# Altium PCB DRS4-PCB.PcbDoc (part 9 of 15)
Units mil, origin at the board's own origin, x right, y up, seen from the top; angles counter-clockwise.
Board outline 12350 x 7411.06 mil, 12 copper layers (Top Layer, Ground Layer 2, Signal Layer 3, Signal Layer 4, Ground Layer 5, Power Layer 6, Ground Layer 7, Ground Layer 8, Power Layer 9, Power Layer 10, Ground Layer 11, Bottom Layer), stack 61.6 mil thick; 1411 components, 1117 nets, 4255 pads, 2550 vias.
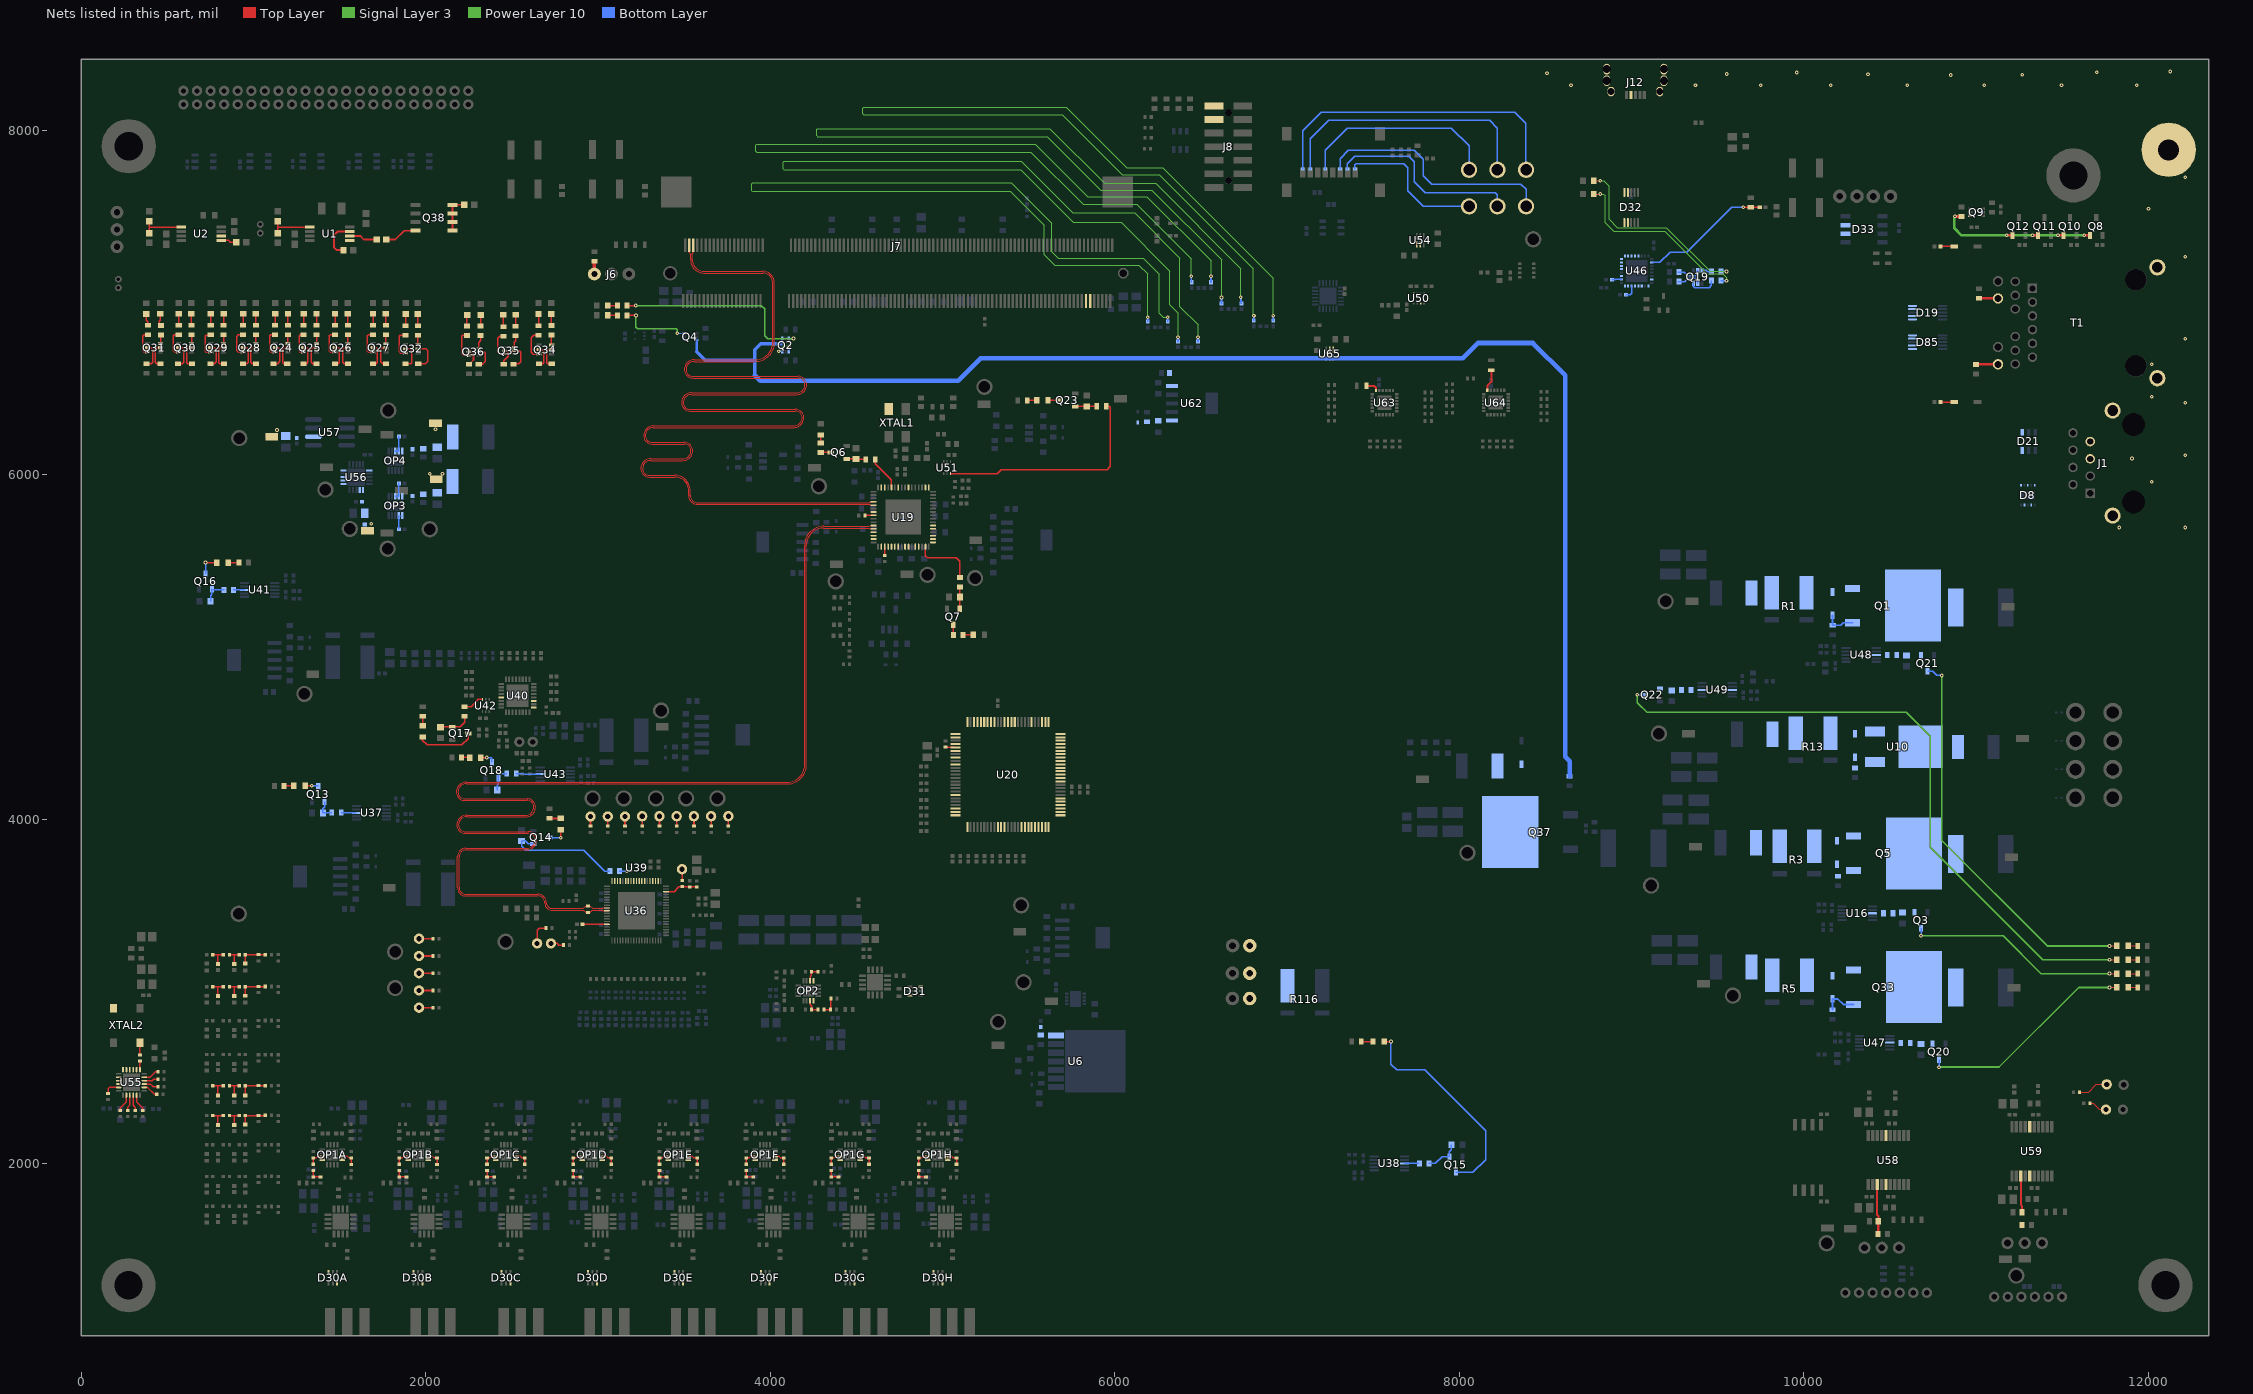
[diagram p19: the nets of this part, all layers, seen from the top]

## Via types
v1: diameter 21.65, hole 10, Top Layer to Bottom Layer, 2413 vias
v2: diameter 20, hole 10, Top Layer to Bottom Layer, 123 vias
v3: diameter 19, hole 8, Top Layer to Bottom Layer, 12 vias
v4: diameter 27.56, hole 10, Top Layer to Bottom Layer, 1 vias
v5: diameter 21.65, hole 10, Top Layer to Bottom Layer, tented top, 1 vias

## Nets (pads, with @x,y where several pads share a name; then routed paths per layer and width w, separated by ;. In a path a pad name is that pad's centre, name@x,y a point inside that pad or via, vN(x,y) a via of type N, cw(c..) or ccw(c..) an arc to the next point about the centre after c; other vN are vias at no path point) (continued)
NetC314_2: C314.2 L25.2 L26.1 | length 114.1
  Top Layer w8.72: L25.2@763.45,3027.8 792.85,3027.81 ; C314.2@792.85,2972.89 792.85,3027.81 ; L26.1@822.62,3027.81 792.85,3027.81
NetC315_2: C315.2 L26.2 L27.1 | length 111.6
  Top Layer w8.72: L26.2@858.05,3027.81 L27.1@916.32,3027.81 ; C315.2@887.26,2972.89 887.26,3026.16
NetC316_2: C316.2 L27.2 R236.1 R240.2 | length 168.8
  Top Layer w8.72: C316.2@951.75,2975.05 951.75,3027.81 1066.28,3027.81 R236.1@1067.34,3028.87
NetC318_2: C318.2 L28.2 L29.1 | length 114.1
  Top Layer w8.72: L28.2@763.45,2279.76 792.85,2279.78 ; C318.2@792.85,2224.83 792.85,2279.78 ; L29.1@822.62,2279.78 792.85,2279.78
NetC319_2: C319.2 L29.2 L30.1 | length 111.6
  Top Layer w8.72: L29.2@858.05,2279.78 L30.1@916.32,2279.78 ; C319.2@887.26,2224.83 887.26,2278.13
NetC320_2: C320.2 L30.2 R241.1 R243.2 | length 168.7
  Top Layer w8.72: C320.2@951.75,2226.99 951.75,2279.78 1066.48,2279.78 R241.1@1067.34,2280.64
NetC322_2: C322.2 L31.2 L32.1 | length 114.1
  Top Layer w8.72: L31.2@763.45,3214.02 792.85,3214 ; C322.2@792.85,3159.07 792.85,3214 ; L32.1@822.62,3214 792.85,3214
NetC323_2: C323.2 L32.2 L33.1 | length 113.9
  Top Layer w8.72: L32.2@858.05,3214 885.62,3214 ; C323.2@887.26,3159.07 887.26,3212.35 885.62,3214 ; L33.1@916.32,3214 885.62,3214
NetC324_2: C324.2 L33.2 R242.1 R245.2 | length 168.6
  Top Layer w8.72: C324.2@951.75,3161.24 951.75,3214 1066.86,3214 R242.1@1067.34,3213.52
NetC326_2: C326.2 L34.2 L35.1 | length 114.1
  Top Layer w8.72: L34.2@763.45,2452.99 792.85,2453.01 ; C326.2@792.85,2398.07 792.85,2453.01 ; L35.1@822.62,2453.01 792.85,2453.01
NetC327_2: C327.2 L35.2 L36.1 | length 111.6
  Top Layer w8.72: L35.2@858.05,2453.01 L36.1@916.32,2453.01 ; C327.2@887.26,2398.07 887.26,2451.36
NetC328_2: C328.2 L36.2 R247.1 R248.2 | length 168.4
  Top Layer w8.72: C328.2@951.75,2400.24 951.75,2453.01 1067.26,2453.01 R247.1@1067.34,2453.09
NetC335_1: C335.1 C336.2 FB1.2 TP72.1 U56.1 U56.2
  other v1: 1682.92,5714.88
NetC337_1: C337.1 C338.2 FB8.2 TP79.1 U57.2
  other v1: 1135.87,6259.28
NetC340_1: C340.1 C341.1 C342.2 FB13.2 OP3.10 TP81.1
  other v1: 2022.21,6005.43 2096.46,6005.43
NetC343_1: C343.1 C344.1 C345.2 FB14.2 OP4.10 TP82.1
  other v1: 2055.51,6263.78
NetC369_2: C369.2 D79.2 R66.2 U62.1
NetC371_1: C371.1 U62.5
NetD8_2: D8.2
NetD8_4: D8.4
NetD8_6: D8.6
NetD8_8: D8.8
NetD8_10: D8.10
NetD16_1: D16.1 R21.2 | length 56.1
  Top Layer w7.87: D16.1@3056.77,6982.13 R21.2@3112.84,6982.13
NetD17_1: D17.1 R29.2 | length 56.1
  Top Layer w5: D17.1@11881.97,3103.66 R29.2@11938.03,3103.66
NetD17_2: D17.2 Q3.3 | length 1275.2
  Top Layer w5: v1(11773.7,3103.67) D17.2@11817.01,3103.67
  Signal Layer 3 w9.8: v1@10679.79,3331.39 10687.64,3323.54 11156.69,3323.54 11376.57,3103.67 v1(11773.7,3103.67)
  Bottom Layer w5: v1(10679.79,3323.31) v1@10680.02,3323.54
  Bottom Layer w7.87: v1@10680.02,3323.54 Q3.3@10680.02,3366.84
NetD18_1: D18.1 R32.2 | length 56.1
  Top Layer w7.87: D18.1@3056.68,6924.49 R32.2@3112.75,6924.49
NetD19_6: D19.6
NetD19_7: D19.7
NetD19_9: D19.9
NetD19_10: D19.10
NetD21_3: D21.3
NetD21_4: D21.4
NetD22_2: D22.2 R49.2 | length 46.7
  Top Layer w7.87: R49.2@4292.13,6183.61 D22.2@4292.13,6230.27
NetD23_2: D23.2 R53.2 | length 59.1
  Top Layer w7.87: R53.2@5118.74,5069.96 D23.2@5177.85,5069.96
NetD24_1: D24.1 R112.2 | length 58.4
  Top Layer w7.87: R112.2@1175.7,4193 1176.28,4193.58 D24.1@1233.9,4193.58
NetD24_2: D24.2 Q13.3 | length 76.8
  Top Layer w7.87: D24.2@1298.86,4193.58 v1(1337.2,4193.58)
  Bottom Layer w7.87: v1(1337.2,4193.58) 1374.14,4193.58 Q13.3@1375.2,4192.53
NetD25_1: D25.1 R123.2 | length 65.5
  Top Layer w10: R123.2@2718.44,4004.89 2718.44,4004.62 D25.1@2783.7,4004.62
NetD25_2: D25.2 Q14.3 | length 117.1
  Top Layer w10: v1(2783.7,3891.75) D25.2@2783.7,3939.66
  Bottom Layer w10: Q14.3@2715.68,3893.77 ccw(c2717.7,3893.77) 2717.7,3891.75 v1(2783.7,3891.75)
NetD26_1: D26.1 R124.2 | length 68.9
  Top Layer w7.87: R124.2@7429.46,2709.43 D26.1@7498.37,2709.43
NetD26_2: D26.2 Q15.3 | length 1253.7
  Top Layer w7.87: D26.2@7563.33,2709.43 v1(7602.79,2709.43)
  Bottom Layer w7.87: v1(7602.79,2709.43) 7602.79,2577.65 7635.39,2545.06 7798.84,2545.06 8153.47,2190.43 8153.47,2023.99 8078.55,1949.07 Q15.3@7979.57,1949.07
NetD27_1: D27.1 R140.2 | length 63.1
  Top Layer w7.87: D27.1@851.73,5489.7 R140.2@914.86,5489.7
NetD27_2: D27.2 Q16.3 | length 130.2
  Top Layer w7.87: v1@719.95,5489.7 D27.2@786.77,5489.69
  Bottom Layer w7.87: Q16.3@720.67,5426.33 v1(720.67,5489.69)
NetD28_1: D28.1 R154.2 | length 56.1
  Top Layer w7.87: D28.1@1981.58,4542 R154.2@1981.58,4598.08
NetD28_2: D28.2 Q17.3 | length 341.8
  Top Layer w7.87: D28.2@1979.68,4477.04 1979.68,4458.31 2007,4431 2208.93,4431 2246.02,4468.08 Q17.3@2246.02,4498.12
NetD29_1: D29.1 R155.2 | length 47.7
  Top Layer w7.87: R155.2@2206.57,4358.31 2253.43,4358.31 D29.1@2254,4357.73
NetD29_2: D29.2 Q18.3 | length 90.3
  Top Layer w7.87: D29.2@2318.96,4357.72 v1(2352.86,4357.72)
  Bottom Layer w7.87: v1(2352.86,4357.72) 2379.51,4357.72 2382.89,4354.34 Q18.3@2382.89,4329.35
NetD30A_3: D30A.3
NetD30A_6: D30A.6
NetD30B_3: D30B.3
NetD30B_6: D30B.6
NetD30C_3: D30C.3
NetD30C_6: D30C.6
NetD30D_3: D30D.3
NetD30D_6: D30D.6
NetD30E_3: D30E.3
NetD30E_6: D30E.6
NetD30F_3: D30F.3
NetD30F_6: D30F.6
NetD30G_3: D30G.3
NetD30G_6: D30G.6
NetD30H_3: D30H.3
NetD30H_6: D30H.6
NetD31_3: D31.3
NetD31_6: D31.6
NetD32_4: D32.4
NetD32_5: D32.5
NetD32_6: D32.6
NetD32_7: D32.7
NetD33_6: D33.6
NetD33_7: D33.7
NetD34_1: D34.1 R195.2 | length 1135.2
  Top Layer w5: D34.1@8780.49,7707.18 v1(8817.34,7707.18)
  Signal Layer 3 w5: v1(8817.34,7707.18) 8837.32,7707.18 8868.84,7675.66 8868.84,7482.09 8917.06,7433.87 9202.11,7433.87 9456.14,7179.84 v1(9550.97,7179.84)
  Bottom Layer w7.87: R195.2@9518.01,7179.84 v1(9550.97,7179.84)
NetD35_1: D35.1 R196.2 | length 1115.5
  Top Layer w5: D35.1@8780.49,7629.53 v1(8817.34,7629.53)
  Signal Layer 3 w5: v1(8817.34,7629.53) 8838.47,7629.53 8845.7,7622.3 8845.7,7462.39 8895.44,7412.65 9192.89,7412.65 9438.28,7167.27 9527.62,7167.27 9550.97,7143.92 v1(9550.97,7126.68)
  Bottom Layer w7.87: R196.2@9518.01,7126.68 v1(9550.97,7126.68)
NetD36_1: D36.1 R211.2 | length 56.1
  Top Layer w5: D36.1@11881.97,3023.31 R211.2@11938.03,3023.31
NetD36_2: D36.2 Q20.3 | length 1267.7
  Top Layer w5: v1(11773.7,3023.3) D36.2@11817.01,3023.3
  Signal Layer 3 w9.8: v1@10784.39,2560.98 11132.7,2560.98 11595.02,3023.3 v1(11773.7,3023.3)
  Bottom Layer w7.87: v1(10784.7,2560.67) Q20.3@10784.7,2604.29
NetD37_1: D37.1 R212.2 | length 56.1
  Top Layer w5: D37.1@11881.97,3264.41 R212.2@11938.03,3264.41
NetD37_2: D37.2 Q21.3 | length 2321.9
  Top Layer w5: v1(11773.7,3264.4) D37.2@11817.01,3264.4
  Signal Layer 3 w9.8: v1(10800,4834.89) 10800,3881.73 10797.71,3879.44 11412.75,3264.4 v1(11773.7,3264.4)
  Bottom Layer w7.87: Q21.3@10718.17,4858.19 10747.7,4858.19 10771,4834.89 v1(10800,4834.89)
NetD38_1: D38.1 R213.2 | length 56.1
  Top Layer w5: D38.1@11881.97,3184.02 R213.2@11938.03,3184.02
NetD38_2: D38.2 Q22.3 | length 3867.4
  Top Layer w5: v1(11773.7,3184.02) D38.2@11817.01,3184.03
  Signal Layer 3 w9.8: v1(9031.75,4722.73) 9031.75,4676.87 9088.61,4620.02 10595.06,4620.02 10734.27,4480.81 10734.27,3836.65 11386.9,3184.02 v1(11773.7,3184.02)
  Bottom Layer w5: v1(9031.75,4722.73) 9032.71,4721.77 Q22.3@9071.96,4721.77
NetD39_1: D39.1 R216.2 | length 55.2
  Top Layer w7.87: R216.2@5491.62,6431.56 5492,6431.18 D39.1@5546.67,6431.18
NetD39_2: D39.2 Q23.3 | length 65.7
  Top Layer w7.87: D39.2@5611.63,6431.18 5613.36,6432.91 Q23.3@5676.6,6432.91
NetD50_1: D50.1 R273.2 | length 67.2
  Top Layer w7.87: R273.2@1199.41,6867.01 D50.1@1199.41,6934.17
NetD51_1: D51.1 R274.2 | length 67.2
  Top Layer w7.87: R274.2@1124.61,6867.01 D51.1@1124.61,6934.17
NetD52_1: D52.1 R275.2 | length 67.2
  Top Layer w7.87: R275.2@1364.96,6867.01 D52.1@1364.96,6934.17
NetD53_1: D53.1 R276.2 | length 67.2
  Top Layer w7.87: R276.2@1290.16,6867.01 D53.1@1290.16,6934.17
NetD54_1: D54.1 R277.2 | length 67.2
  Top Layer w7.87: R277.2@1547.28,6867.01 D54.1@1547.28,6934.17
NetD55_1: D55.1 R278.2 | length 67.2
  Top Layer w7.87: R278.2@1472.48,6867.01 D55.1@1472.48,6934.17
NetD56_1: D56.1 R279.2 | length 67.2
  Top Layer w7.87: R279.2@1767.83,6867.02 D56.1@1767.83,6934.17
NetD57_1: D57.1 R280.2 | length 67.2
  Top Layer w7.87: R280.2@1693.03,6867.02 D57.1@1693.03,6934.17
NetD58_1: D58.1 R289.2 | length 67.2
  Top Layer w7.87: R289.2@1013.39,6867.01 D58.1@1013.39,6934.17
NetD59_1: D59.1 R290.2 | length 67.2
  Top Layer w7.87: R290.2@938.58,6867.01 D59.1@938.58,6934.17
NetD60_1: D60.1 R291.2 | length 67.2
  Top Layer w7.87: R291.2@825.83,6867.01 D60.1@825.83,6934.17
NetD61_1: D61.1 R292.2 | length 67.2
  Top Layer w7.87: R292.2@751.02,6867.01 D61.1@751.02,6934.17
NetD62_1: D62.1 R293.2 | length 67.7
  Top Layer w7.87: D62.1@638.42,6934.17 638.42,6868.35 R293.2@639.77,6867.01
NetD63_1: D63.1 R294.2 | length 67.5
  Top Layer w7.87: D63.1@563.98,6934.06 563.98,6868 R294.2@564.97,6867.01
NetD64_1: D64.1 R295.2 | length 69.7
  Top Layer w7.87: R295.2@452.31,6867.03 452.31,6891.24 458.81,6897.73 D64.1@458.81,6934.08
NetD65_1: D65.1 R296.2 | length 69.9
  Top Layer w7.87: D65.1@376.08,6932.62 376.08,6898.02 386.45,6887.64 R296.2@386.45,6867.03
NetD66_1: D66.1 R305.2 | length 69.2
  Top Layer w7.87: R305.2@1953.46,6864.35 D66.1@1953.46,6933.56
NetD67_1: D67.1 R306.2 | length 69.2
  Top Layer w7.87: R306.2@1882.44,6864.35 D67.1@1882.44,6933.56
NetD68_1: D68.1 Q1.3 R1.1
NetD68_2: D68.2 Q1.1 R2.2 | length 178.4
  Bottom Layer w10: D68.2@10166.57,5183.2 10166.57,5126.73 R2.2@10167.32,5125.98 10214.45,5125.98 10228.65,5140.18 Q1.1@10282.34,5140.18
NetD69_1: D69.1 Q5.3 R3.1
NetD69_2: D69.2 Q5.1 R4.2
NetD70_1: D70.1 R309.2 | length 67.1
  Top Layer w7.87: R309.2@2728.82,6866.53 D70.1@2728.82,6933.58
NetD71_1: D71.1 R310.2 | length 69.5
  Top Layer w7.87: R310.2@2653.82,6864.06 D71.1@2653.82,6933.58
NetD72_2: D72.2 R321.1 | length 69.5
  Top Layer w7.87: R321.1@2449.98,6859.12 D72.2@2449.98,6928.66
NetD73_2: D73.2 R322.1 | length 65.9
  Top Layer w7.87: R322.1@2521,6862.36 D73.2@2521,6928.31
NetD74_2: D74.2 R323.1 | length 63.9
  Top Layer w7.87: R323.1@2317.87,6863.44 D74.2@2317.87,6927.32
NetD75_2: D75.2 R324.1 | length 64.1
  Top Layer w9.84: R324.1@2237.98,6863.46 2237.98,6925.73 D75.2@2239.31,6927.05
NetD80_1: D80.1 Q33.3 R5.1
NetD80_2: D80.2 Q33.1 R6.2 | length 198.1
  Bottom Layer w10: R6.2@10166.57,2893.97 D80.2@10166.57,2956.51 10196.72,2956.51 10228.47,2924.76 Q33.1@10288.94,2924.76
NetD81_1: D81.1 FB6.1 Q37.2
NetD82_1: D82.1 R14.2 U10.1
NetD82_2: D82.2 R13.1 U10.3
NetD83_1: D83.1 R76.1 | length 79.9
  Top Layer w7.87: R76.1@10792.13,7324.92 D83.1@10872.08,7324.92
NetD84_1: D84.1 R77.1 | length 80
  Top Layer w7.87: R77.1@10792.13,6421.53 10871.81,6421.53 D84.1@10872.01,6421.34
NetD85_6: D85.6
NetD85_7: D85.7
NetD85_9: D85.9
NetD85_10: D85.10
NetF1_2: F1.2 Q1.2
NetF2_2: F2.2 Q5.2
NetF3_2: F3.2 Q33.2
NetF4_2: F4.2 U10.2
NetFB2_1: FB2.1 R1.2
NetFB3_1: FB3.1 R3.2
NetFB4_1: FB4.1 R5.2
NetFB5_1: FB5.1 R13.2
NetJ1_5: J1.5
NetJ1_7: J1.7 | length 14.5
  Top Layer w5: J1.7@11651.97,6182.13 J1.7@11662.2,6192.36
NetJ3_1: J3.1 J4.1 J5.1 R116.2
NetJ6_1: J6.1 R36.1 | length 73.9
  Top Layer w19.68: J6.1@2978.05,7165.12 R36.1@2978.05,7239.06
NetJ7_187: J7.187
NetJ7_189: J7.189
NetJ8_1: J8.1
NetJ8_3: J8.3
NetJ12_4: J12.4
NetOP1A_1: OP1A.1
NetOP1A_2: OP1A.2 R162A.2 R165A.1 | length 93
  Top Layer w8.72: OP1A.2@1514.41,2042.56 1544.68,2042.56 1553.07,2034.17 R165A.1@1566.22,2034.17 R162A.2@1566.22,1996.5
NetOP1A_11: OP1A.11 R159A.2 R170A.1 | length 92.5
  Top Layer w8.72: R159A.2@1346.81,1996.77 R170A.1@1346.81,2034.17 1365.43,2034.17 1373.82,2042.56 OP1A.11@1398.41,2042.56
NetOP1A_12: OP1A.12
NetOP1B_1: OP1B.1
NetOP1B_2: OP1B.2 R162B.2 R165B.1 | length 92.3
  Top Layer w8.72: OP1B.2@2013.16,2042.56 2037.71,2042.56 2045.07,2035.2 R165B.1@2064.75,2035.2 ; R162B.2@2065.04,1996.5 R165B.1@2065.04,2034.17
NetOP1B_11: OP1B.11 R159B.2 R170B.1 | length 92.5
  Top Layer w8.72: R159B.2@1845.55,1996.77 R170B.1@1845.55,2034.17 1864.18,2034.17 1872.57,2042.56 OP1B.11@1897.16,2042.56
NetOP1B_12: OP1B.12
NetOP1C_1: OP1C.1
NetOP1C_2: OP1C.2 R162C.2 R165C.1 | length 92.3
  Top Layer w8.72: OP1C.2@2522.33,2042.83 2546.88,2042.83 2554.24,2035.47 R165C.1@2573.93,2035.47 ; R162C.2@2574.21,1996.77 R165C.1@2574.21,2034.17 R165C.1@2574.21,2034.45
NetOP1C_11: OP1C.11 R159C.2 R170C.1 | length 92.5
  Top Layer w8.72: R159C.2@2355,1996.77 R170C.1@2355,2034.17 2373.63,2034.17 2382.02,2042.56 OP1C.11@2406.61,2042.56
NetOP1C_12: OP1C.12
NetOP1D_1: OP1D.1
NetOP1D_2: OP1D.2 R162D.2 R165D.1 | length 92.3
  Top Layer w8.72: OP1D.2@3022.49,2042.83 3047.04,2042.83 3054.4,2035.47 R165D.1@3074.09,2035.47 ; R162D.2@3076.47,1995.47 R165D.1@3076.47,2033.15
NetOP1D_11: OP1D.11 R159D.2 R170D.1 | length 92.5
  Top Layer w8.72: R159D.2@2855.16,1996.77 R170D.1@2855.16,2034.17 2873.79,2034.17 2882.17,2042.56 OP1D.11@2906.76,2042.56
NetOP1D_12: OP1D.12
NetOP1E_1: OP1E.1
NetOP1E_2: OP1E.2 R162E.2 R165E.1 | length 92.3
  Top Layer w8.72: OP1E.2@3521.15,2042.83 3545.7,2042.83 3553.06,2035.47 R165E.1@3572.75,2035.47 ; R162E.2@3575.13,1995.47 R165E.1@3575.13,2033.15
NetOP1E_11: OP1E.11 R159E.2 R170E.1 | length 92.5
  Top Layer w8.72: R159E.2@3355.63,1996.77 R170E.1@3355.63,2034.17 3374.26,2034.17 3382.65,2042.56 OP1E.11@3407.24,2042.56
NetOP1E_12: OP1E.12
NetOP1F_1: OP1F.1
NetOP1F_2: OP1F.2 R162F.2 R165F.1 | length 92.3
  Top Layer w8.72: OP1F.2@4024.22,2042.83 4048.77,2042.83 4056.13,2035.47 R165F.1@4075.82,2035.47 ; R162F.2@4078.2,1995.47 R165F.1@4078.2,2033.15
NetOP1F_11: OP1F.11 R159F.2 R170F.1 | length 92.5
  Top Layer w8.72: R159F.2@3858.7,1996.77 3858.7,2034.17 R170F.1@3859.13,2034.17 3877.33,2034.17 3885.72,2042.56 OP1F.11@3910.31,2042.56
NetOP1F_12: OP1F.12
NetOP1G_1: OP1G.1
NetOP1G_2: OP1G.2 R162G.2 R165G.1 | length 92.3
  Top Layer w8.72: OP1G.2@4519.02,2042.83 4543.57,2042.83 4550.94,2035.47 R165G.1@4570.62,2035.47 ; R162G.2@4573,1995.47 R165G.1@4573,2033.15
NetOP1G_11: OP1G.11 R159G.2 R170G.1 | length 92.5
  Top Layer w8.72: R159G.2@4353.94,1996.77 R170G.1@4353.94,2034.17 4372.57,2034.17 4380.95,2042.56 OP1G.11@4405.54,2042.56
NetOP1G_12: OP1G.12
NetOP1H_1: OP1H.1
NetOP1H_2: OP1H.2 R162H.2 R165H.1 | length 92.3
  Top Layer w8.72: OP1H.2@5026.54,2042.83 5051.09,2042.83 5058.46,2035.47 R165H.1@5078.14,2035.47 ; R162H.2@5080.52,1995.47 R165H.1@5080.52,2033.15
NetOP1H_11: OP1H.11 R159H.2 R170H.1 | length 92.5
  Top Layer w8.72: R159H.2@4861.46,1996.77 R170H.1@4861.46,2034.17 4880.09,2034.17 4888.47,2042.56 OP1H.11@4913.06,2042.56
NetOP1H_12: OP1H.12
NetOP2_1: OP2.1
NetOP2_2: OP2.2 R177.2 R180.1 | length 92.3
  Top Layer w8.72: OP2.2@4230.19,3059.86 4230.19,3084.41 4237.55,3091.77 R180.1@4237.55,3111.46 ; R180.1@4239.87,3113.84 R177.2@4277.55,3113.84
NetOP2_11: OP2.11 R174.2 R181.1 | length 92.5
  Top Layer w7.87: OP2.11@4230.47,2946.38 4230.47,2921.79 4238.86,2913.4 R181.1@4238.86,2894.75 ; R181.1@4238.86,2894.75 R174.2@4276.26,2894.77
NetOP2_12: OP2.12
NetOP3_1: OP3.1 OP3.2 R271.1 | length 99
  Bottom Layer w6: OP3.2@1842.86,5762.83 OP3.1@1862.54,5762.83
  Bottom Layer w7.87: OP3.2@1842.86,5762.83 R271.1@1842.91,5683.56 R271.1@1842.91,5683.56
NetOP3_8: OP3.8 OP3.9 R272.1 | length 93.8
  Bottom Layer w9.84: OP3.8@1823.17,5875.43 OP3.9@1842.86,5875.43 1842.86,5949.04 R272.1@1843.22,5949.41
NetOP4_8: OP4.8 OP4.9 R270.1 | length 104.6
  Bottom Layer w7.87: OP4.9@1842.86,6137.21 R270.1@1842.86,6221.58
  Bottom Layer w9.84: OP4.8@1823.17,6137.21 OP4.9@1842.86,6137.21 ; R270.1@1842.86,6221.58 R270.1@1843.22,6221.94
NetQ2_1: Q2.1 Q4.3 R27.1 | length 7997.5
  Bottom Layer w11.81: 4062.4,6761.06 4068.62,6767.29 Q2.1@4068.62,6790.09
  Bottom Layer w13.78: 3572.24,6713.65 Q4.3@3572.24,6782.14
  Bottom Layer w19.68: 3572.24,6713.65 3620.93,6664.96 3909.56,6664.96 ; 3909.56,6577.76 3909.56,6664.96 ; 4062.4,6761.06 3945.08,6761.06 3909.56,6725.55 3909.56,6664.96
  Bottom Layer w27.56: 3909.56,6577.76 3942.04,6545.29 5089.78,6545.29 5220.39,6675.9 8019.59,6675.9 8107.89,6764.21 8426.53,6764.21 8614.16,6576.57 8614.16,4362.86 8639.98,4337.05 R27.1@8639.98,4249.12
NetQ2_3: Q2.3 R21.1 | length 1164
  Top Layer w7.87: R21.1@3167.96,6982.13 v1(3219,6982.13)
  Power Layer 10 w7.87: v1(3219,6982.13) 3948.31,6982.13 3967.64,6962.8 3967.64,6805.91 3983.46,6790.08 v1(4134.24,6790.08)
  Bottom Layer w7.87: Q2.3@4107.99,6790.08 v1(4134.24,6790.08)
NetQ2_4: Q2.4 Q2.6 | length 119.3
  Power Layer 10 w7.87: v1(4048.49,6717.24) 4075.64,6744.4 v1(4109.28,6744.4)
  Bottom Layer w7.87: v1(4048.49,6717.24) Q2.6@4068.61,6717.24 ; Q2.4@4109.28,6717.26 v1(4109.28,6744.4)
NetQ3_1: Q3.1 R23.1 R25.1
NetQ4_6: Q4.6 R32.1 | length 428.8
  Top Layer w7.87: R32.1@3167.87,6924.49 v1(3219.7,6924.49)
  Power Layer 10 w7.87: v1(3219.7,6924.49) 3219.7,6856.22 3228.61,6847.31 3453.34,6847.31 3459.72,6840.94 3459.5,6840.73 v1(3459.5,6821.71) 3459.5,6820.85 v1@3459.72,6820.64
  Bottom Layer w5: v1(3459.5,6821.71) 3497.22,6821.71 Q4.6@3497.43,6821.5
  Bottom Layer w7.87: Q4.6@3497.64,6820.64 3498.53,6819.74 Q4.6@3500.4,6821.61
NetQ6_1: Q6.1 R46.1 R47.1 | length 112.6
  Top Layer w7.87: Q6.1@4442,6091.48 R46.1@4496.19,6091.48 ; R46.1@4496.95,6090.5 4550.86,6090.5 R47.1@4554.05,6087.32
NetQ6_3: Q6.3 R49.1 | length 57.3
  Top Layer w7.87: R49.1@4292.3,6128.49 4292.7,6128.88 Q6.3@4349.48,6128.88
NetQ7_1: Q7.1 R45.1 R48.1 | length 125.3
  Top Layer w7.87: Q7.1@5099.1,5222.51 5099.68,5223.09 R45.1@5099.68,5290.43 R48.1@5099.68,5347.53
NetQ7_3: Q7.3 R53.1 | length 60.8
  Top Layer w7.87: Q7.3@5061.69,5129.99 5061.69,5071.89 R53.1@5063.63,5069.96
NetQ8_1: Q8.1 Q9.6 Q10.1 Q11.1 Q12.1 R70.1 | length 1010.3
  Top Layer w15.75: v1(10877.32,7500.4) 10878.4,7499.33 R70.1@10914.64,7499.33 ; v1(11178.03,7389.68) Q12.1@11210.66,7389.68 ; v1(11326.74,7389.68) Q11.1@11359.37,7389.68 ; v1(11475.45,7389.68) Q10.1@11508.08,7389.68 ; v1(11627.02,7389.68) Q8.1@11659.66,7389.68 Q8.1@11659.57,7389.77
  Signal Layer 3 w15.75: v1(10877.32,7500.4) 10872.87,7495.95 10872.87,7432.16 10915.35,7389.68 v1(11627.02,7389.68)
NetQ13_1: Q13.1 R104.1 R107.1 | length 120.1
  Bottom Layer w7.87: Q13.1@1412.6,4100.01 1412.6,4071.8 1401.77,4060.97 R104.1@1401.77,4036.66 1452.37,4036.66 R107.1@1453.55,4037.84
NetQ14_1: Q14.1 R119.1 R122.1 | length 678
  Bottom Layer w7.87: Q14.1@2623.16,3856.37 2593.09,3856.37 2575.59,3873.87 R119.1@2555.24,3873.87 2555.24,3844.32 2578.65,3820.9 2917.58,3820.9 3039.62,3698.86 R122.1@3068.26,3698.86
NetQ15_1: Q15.1 R118.1 R121.1 | length 208.9
  Bottom Layer w7.87: R121.1@7822.88,2001.3 7861.13,2001.3 7900.47,2040.64 7941.22,2040.64 Q15.1@7942.17,2041.59 7942.17,2068.48 7953.87,2080.18 R118.1@7953.87,2109.64
NetQ16_1: Q16.1 R131.1 R135.1 | length 142.6
  Bottom Layer w7.87: R131.1@749.74,5265.89 749.74,5298.2 758.08,5306.54 Q16.1@758.08,5333.81 761.22,5330.67 R135.1@827.97,5330.67
NetQ17_1: Q17.1 R148.1 R150.1 | length 196.7
  Top Layer w7.87: R148.1@2084.8,4535.52 Q17.1@2153.5,4535.52 2198.94,4535.52 2224.85,4561.42 R150.1@2224.85,4607.35
NetQ18_1: Q18.1 R152.1 R153.1 | length 143.2
  Bottom Layer w7.8: Q18.1@2420.29,4236.83 2420.29,4258.23 2427.35,4265.29 R153.1@2468.78,4265.29
  Bottom Layer w7.87: R152.1@2414.41,4168.9 2414.41,4195.73 2420.29,4201.6 Q18.1@2420.29,4236.83
NetQ19_2: Q19.2 R198.2 | length 148.9
  Bottom Layer w7.87: R198.2@9267.59,7175.7 R198.2@9275.47,7175.7 9304.99,7175.7 9324.68,7156.01 9374.04,7156.01 9383.73,7165.71 Q19.2@9383.73,7186.32
NetQ19_3: Q19.3 R195.1 | length 56.4
  Bottom Layer w7.87: Q19.3@9409.32,7186.32 9432.17,7186.32 9438.85,7179.64 9462.69,7179.64 R195.1@9462.9,7179.84
NetQ19_5: Q19.5 R197.1 | length 148.4
  Bottom Layer w7.87: R197.1@9267.59,7120.58 R197.1@9275.47,7120.58 9308.93,7120.58 9328.61,7140.27 9375.86,7140.27 9383.73,7132.39 Q19.5@9383.73,7111.52
NetQ19_6: Q19.6 R196.1 | length 157.9
  Bottom Layer w7.87: Q19.6@9358.14,7111.52 9358.14,7095.26 9367.6,7085.81 9449.35,7085.81 9462.9,7099.35 R196.1@9462.9,7126.68
NetQ20_1: Q20.1 R202.1 R208.1
NetQ21_1: Q21.1 R203.1 R209.1
NetQ22_1: Q22.1 R204.1 R210.1
NetQ23_1: Q23.1 R214.1 R215.1 | length 125.8
  Top Layer w7.87: Q23.1@5769.12,6395.51 5771.08,6397.47 R215.1@5894.14,6397.47
NetQ24_2: Q24.2 R285.2 | length 127.2
  Top Layer w7.87: Q24.2@1188.07,6737.09 1174.99,6737.09 1168.58,6730.68 1168.58,6649.02 1173.03,6644.57 R285.2@1190.13,6644.57